# Allegro board com_v1_p3.brd (continued)
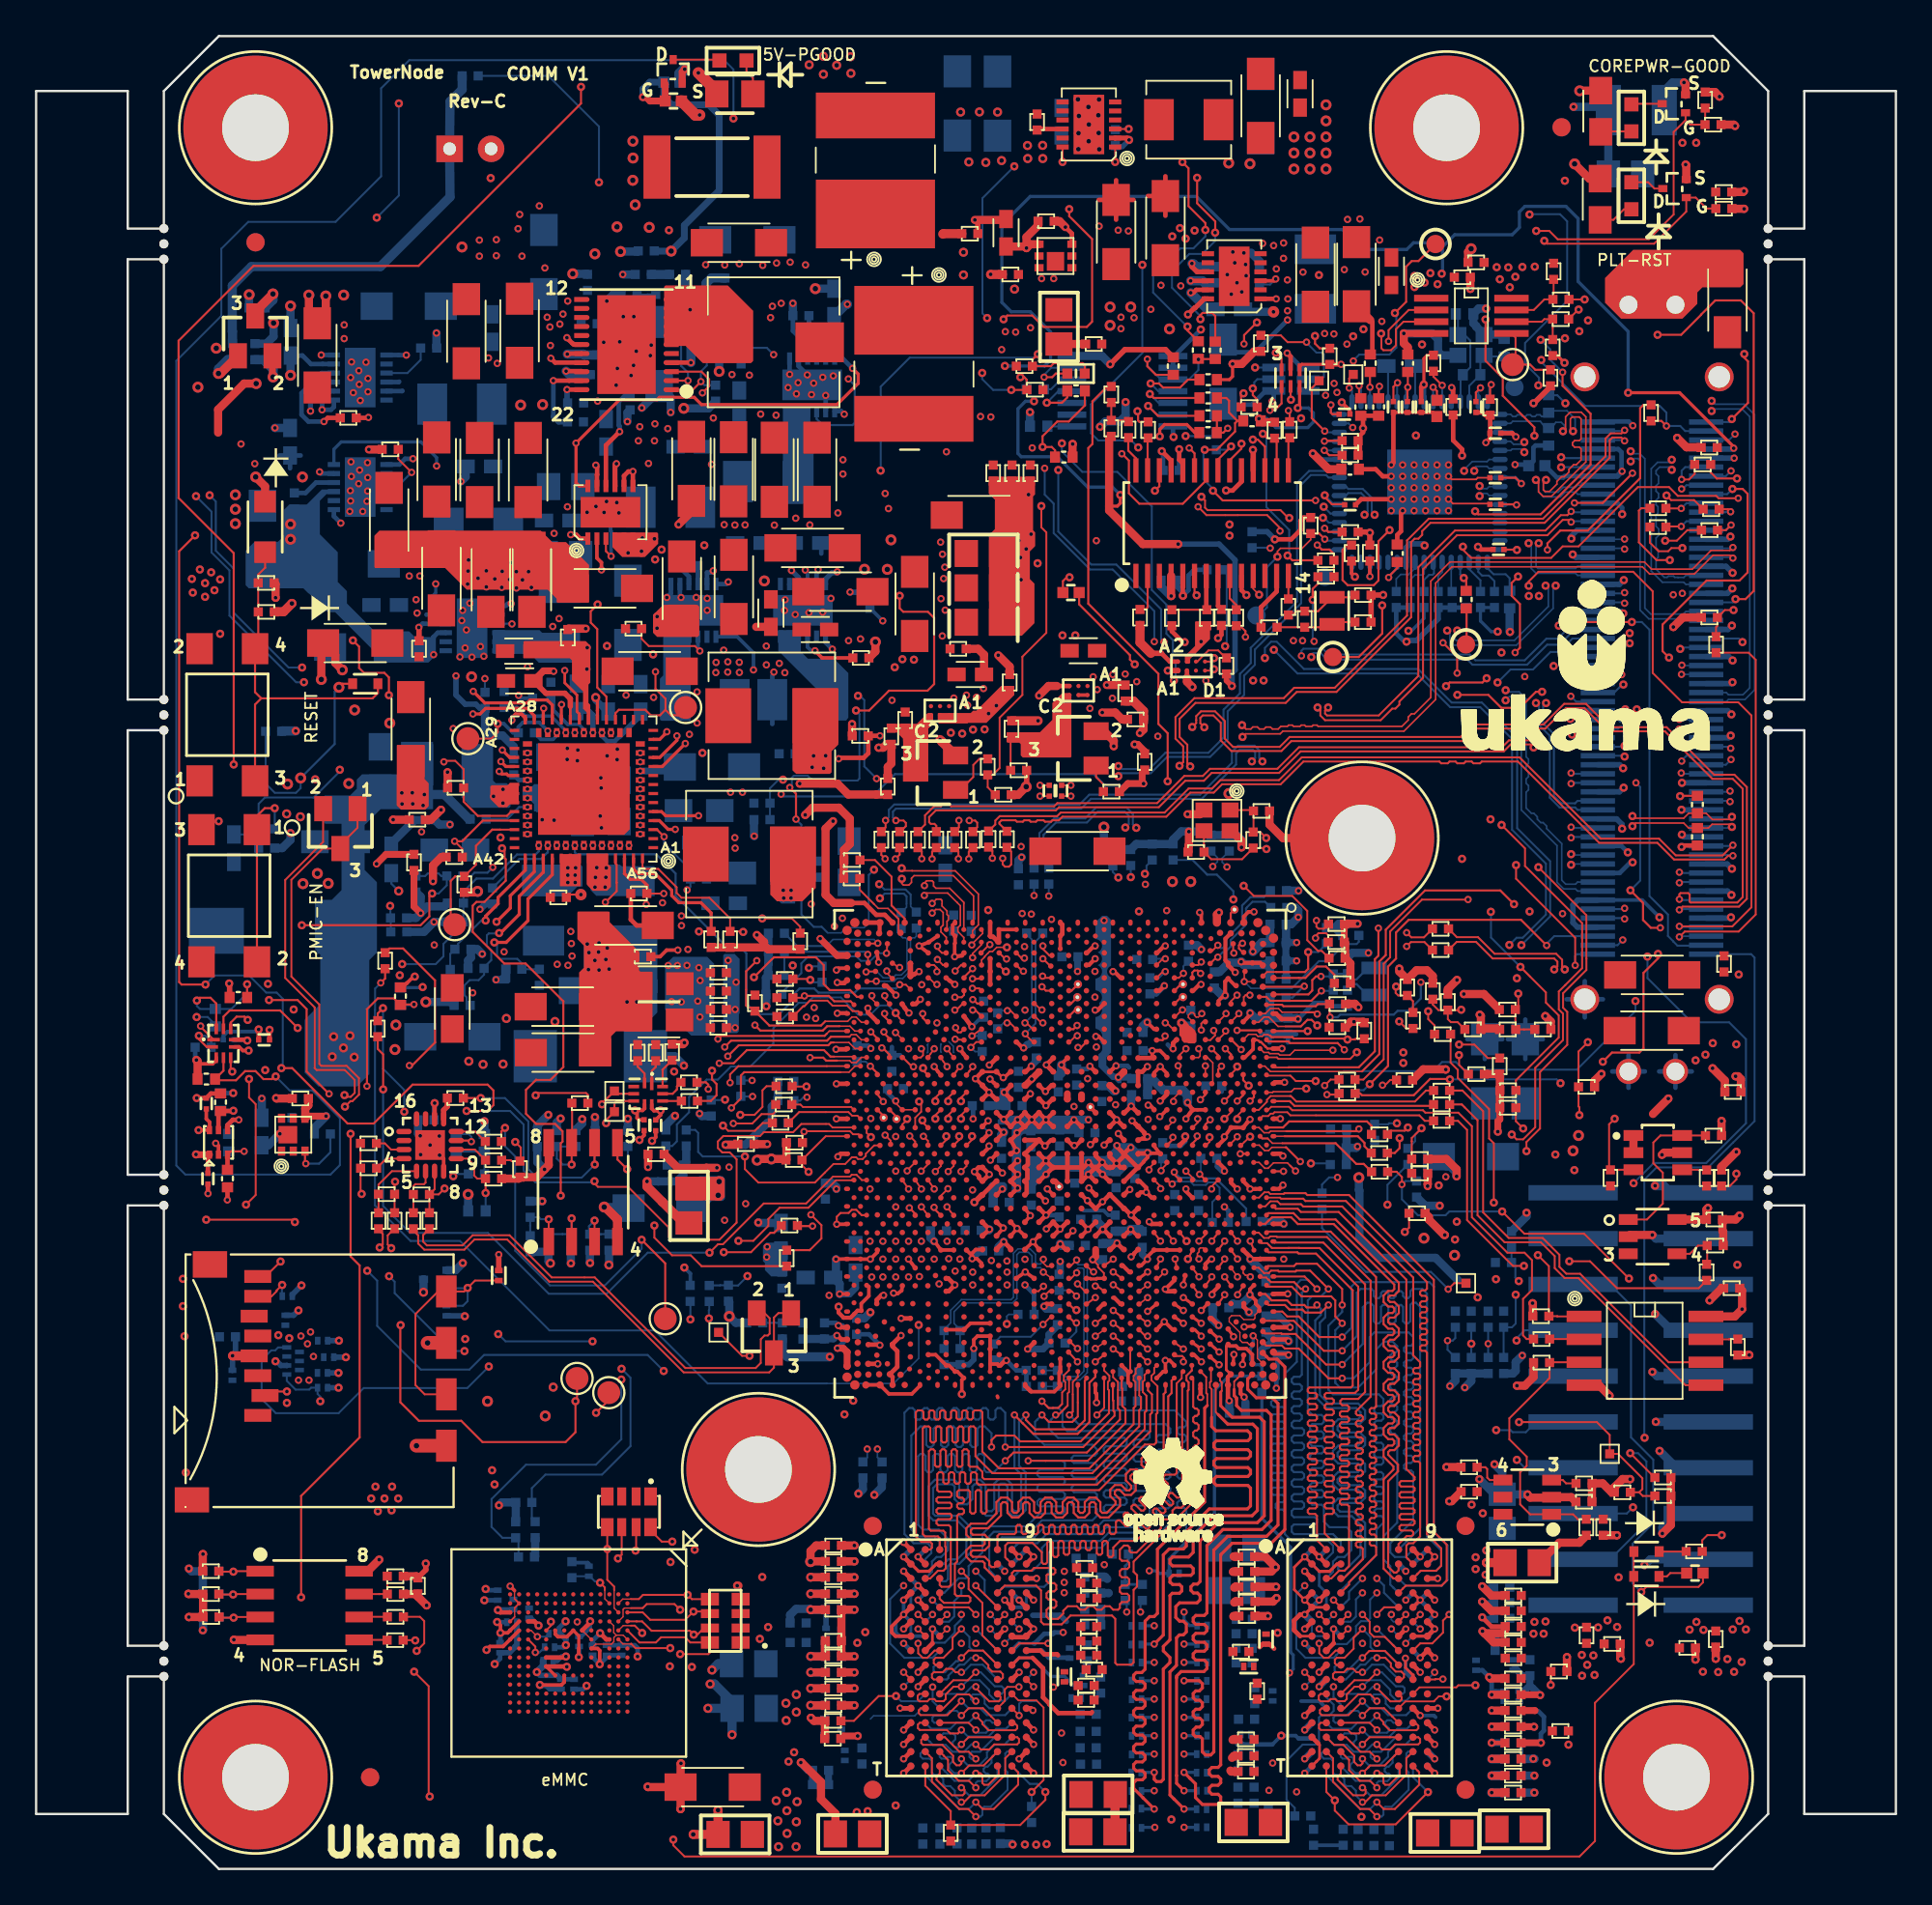
[diagram p0: board, top side]
## Routing (per net, layer and track width the routed paths; a pad name or vN(x,y) marks a point on that pad's centre or on a via; arc(x,y) is an arc through that point) (continued)
  TOP w0.279: v1(60.57,95.84) 60.46,95.95 U1D1.2
  TOP w0.305: R185.1 v2(25.64,34.05) ; v1(67.43,78.67) 67.44,78.65 U3A5.18 ; v1(74.65,70.62) 74.64,70.61 C3A25.2 73.98,69.12 C3A23.2 ; v2(52.02,91.41) 52.19,91.24 C2A12.2 ; v1(21.6,16.93) 21.6,16.58 21.16,16.14 C4662.2 ; 92.26,78.81 C1N8.2 ; U3C1.BB5 U3C1.BB7
  TOP w0.381: R3B13.1 72.49,52.36 R3B12.1 ; v1(83.01,7.88) 83,7.89 C222.2 ; U3C1.BJ51 U3C1.BJ49 44.73,28.86 v2(44.41,28.86) ; U3C1.BJ5 44.38,50.64 v2(43.45,51.57) ; U3C1.AC21 57.93,42.92 ; C167.2 83.32,9.66 v1(83.34,9.63) ; 57.15,42.97 U3C1.AD21 ; C211.2 83.05,8.78 83.06,8.77 ; v1(35.94,99.76) 35.8,99.62 Q138.S ; U3C1.AA38 58.72,33.94 v2(58.55,33.77) ; U2A1.4 v1(75.79,85.12)
  TOP w0.457: Q3B1.2 59.18,63.07 59.72,62.53 v2(59.72,62.24) ; C2B23.2 53.95,66.64 v2(53.32,67.28) ; R10805.1 85.9,18.47 85.51,18.08 84.4,18.08 C181.1 ; 56.56,65.57 56.11,65.57 v2(55.58,65.04) ; C2037.2 85.08,20.61 U253.2 83.96,20.58 82.79,20.58 82.65,20.73 v1(82.65,20.76) ; R1B2.2 19.17,78.68 v2(18.44,78.68) ; v1(94.22,39.75) 93.4,38.93 R11267.2 ; R2B19.2 44.76,55.91 R2B15.2 44.77,56.48 45.09,56.81 45.09,58.22 44.48,58.83 43.02,58.83 42.62,58.43 v2(42.62,58.43) ; R4A13.2 77.4,49.49 77.07,49.81 76.49,49.81 R3B11.2 75.54,49.75 v1(75.54,49.9) ; R3B13.1 72.54,51.33 R3B10.1 72.83,50.19 R3B14.2 ; v2(73.23,52.4) 72.52,52.4 R3B12.1 ; U16.2 88.32,35.14 v1(89.56,35.14) ; v5(16.97,66.47) 16.58,66.86 16.58,67.28 C3L21.2 15.81,67.85 v5(15.81,65.94) ; 66.36,17.32 66.37,17.32 C209.2 ; v1(91.31,99.03) 91.4,98.94 Q137.S ; C168.2 v4(42.92,16.17) ; C212.2 66.34,16.48 66.32,16.47 ; v1(80,47.35) 80.06,47.29 C4A11.2 80.11,46.59 81.05,46.59 R4A12.2 ; C2038.2 78.44,20.38 v1(78.31,20.38) ; v1(62.9,70.56) 62.89,70.57 U3A5.4 ; v2(77.11,37.85) 77.11,37.96 77.12,37.97 R3C17.2 ; v1(90.73,68.84) 91.26,69.37 R11263.2 ; 63.77,66.03 63.77,65.82 v1(64.07,65.52) ; v1(94.15,96.62) 94.08,96.69 C2036.2 ; v5(15.12,87.24) 15.12,86.14 C1A3.2 16.05,86.15 v5(16.05,87.19) ; v1(94.4,36.22) 94.18,36 C2158.2 93.45,35.36 93.49,35.32 R11266.2 ; C236.2 v4(42.92,15.25) ; v1(87.19,26.23) 86.6,26.82 U4C1.4 ; 92.26,78.81 91.46,78.81 v1(90.94,79.33) ; C1L11.2 83.94,46.97 v1(83.63,47.28) ; C180.2 v4(42.92,14.37) ; C234.2 66.37,6.26 66.27,6.16 ; R2B1.2 46.51,67.49 v5(46.51,68.02) ; v1(35.74,5.85) 35.71,5.83 C324.1 ; 66.18,5.45 66.24,5.4 C231.2 ; C2C12.2 38.86,40.14 v2(38.21,40.14) ; U9003.4 10.97,12.7 v1(10.96,12.71) ; C169.2 v4(42.92,11.78) ; C213.2 66.44,15.64 66.39,15.59 ; C4662.2 21.07,16.23 R1359.2 ; U9002.2 U9002.1 ; Y3B2.4 66.24,57.55 66.8,56.99 v1(66.8,56.63) ; C268.2 43.71,7.23 R562.2 43.1,8.21 v1(42.93,8.38) ; v1(93.29,98.24) 93.03,98.5 R10788.1 ; C3B32.2 63.86,56.4 63.86,56.72 63.88,56.75 v2(63.88,57.5) ; Q135.S 91.44,94.44 v1(91.41,94.48) ; C228.2 66.45,14.82 66.39,14.77 ; Y3B2.2 64.48,58.47 v2(63.81,58.47) ; v1(42.38,5.9) 42.41,5.9 43.49,4.82 43.49,3.87 44.29,3.07 C164.1 ; R3C5.2 73.54,46.96 v2(73.03,46.96) 72.85,46.96 C3C1.2 ; C172.2 43.23,17.93 42.92,17.62 v5(42.92,17.03) 42.93,17.05 C171.2 ; v1(33.89,4.56) 33.91,4.54 C324.1 ; 66.34,13.99 66.36,14.02 C235.2 ; v1(90.12,18.59) 90.59,19.06 90.59,20.67 R11024.2 90.59,20.68 90.59,21.69 R3B15.2 ; v1(94.64,93) 94.59,92.96 R10782.1 ; v1(94.17,43.94) 94.31,43.94 94.47,43.78 C2159.2 ; C2A10.2 53.7,91.41 v2(52.02,91.41) ; C177.2 v4(42.92,10.01) ; C324.1 35.71,3.32 v1(35.71,3.32) ; C3B22.2 68.35,57.89 69.1,57.14 MH6.1 ; C1N9.2 87.78,11.69 v1(87.82,11.65) ; v1(8.88,44.84) 8.95,44.77 R11506.1 ; v1(94.65,92.03) 94.17,92.03 94.16,92.04 C2034.2 ; C2039.2 78.95,22.28 v1(78.15,22.28) ; C1N3.2 93.41,32.19 v1(92.74,31.51) ; C3A12.2 C4749.2 ; v2(61.17,62.96) 61.37,63.16 C3B17.2 ; v1(84.83,11.74) 84.83,10.95 R375.2 ; C189.2 v4(42.92,9.07) ; C1D2.2 13.32,42.71 v2(13.3,42.74) ; C2A1.2 79.35,89.64 79.52,89.81 v5(79.52,89.81) ; C233.2 66.33,7.18 66.3,7.15 ; C2C7.2 v2(33.91,38.91) ; C1B7.2 v1(19.78,58.16) ; C3B16.2 76.01,84.35 75.79,84.57 v1(75.79,85.12) ; 89.6,41.85 v1(90.45,42.7) ; C2A3.1 v1(79.48,87.59) ; C170.2 v4(42.92,10.9)
  TOP w0.508: U304.4 32.22,36.01 31.53,36.69 v5(31.48,36.69) ; C169.2 43.73,11.78 C269.2 ; v2(50.09,62.6) 50.19,62.5 50.19,62.48 Q2B1.2 ; C3B15.2 60.81,64.74 61.37,64.18 C3B17.2 ; v4(14.18,70.15) 13.72,69.69 13.21,69.69 C1918.2 ; v1(33.86,38.11) 33.86,37.82 34.7,36.98 35.87,35.81 C3M179.2 ; C203.1 59.79,4.11 C165.1 ; v4(36.41,1.91) C325.1 v4(37.79,3.26) ; v2(55.53,63.65) C2B25.2 ; C2A11.2 52.9,88.39 v2(52.89,88.39)
  TOP w0.635: v1(36.77,97.22) 36.54,97.22 R11382.1
  TOP w0.762: CN1.12 v5(21.08,23.46) ; CN1.11 v5(21.69,29.16)
  L2_GND1 w0.508: 25.21,94.41 C4752.2 ; C4752.2 25.21,96.29 ; C4752.2 26.15,95.35 ; C4752.2 24.27,95.35 ; 87.34,86.71 J20.G4 ; J20.G4 88.24,87.61 ; J20.G4 88.24,85.8 ; J20.G4 89.15,86.71 ; 90.84,43.3 J20.G1 ; J20.G1 90.84,45.11 ; J20.G1 89.94,44.21 ; J20.G1 91.75,44.21 ; J20.G2 90.84,87.61 ; J20.G2 90.84,85.8 ; J20.G2 89.94,86.71 ; J20.G2 91.75,86.71 ; 88.24,43.3 J20.G3 ; J20.G3 87.34,44.21 ; J20.G3 89.15,44.21 ; J20.G3 88.24,45.11
  L6_SIG3 w0.254: J20.G1 91.75,44.21 ; J20.G1 90.84,45.11 ; J20.G1 90.84,43.3 ; J20.G1 89.94,44.21 ; J20.G3 88.24,45.11 ; J20.G3 89.15,44.21 ; J20.G3 87.34,44.21 ; J20.G3 88.24,43.3
  L6_SIG3 w0.635: 81.84,47.01 81.78,46.95
  L9_GND2 w0.508: 90.84,85.8 J20.G2 ; J20.G2 90.84,87.61 ; J20.G2 89.94,86.71 ; J20.G2 91.75,86.71 ; C4752.2 25.21,96.29 ; C4752.2 25.21,94.41 ; C4752.2 26.15,95.35 ; C4752.2 24.27,95.35 ; J20.G4 89.15,86.71 ; J20.G4 88.24,87.61 ; J20.G4 88.24,85.8 ; J20.G4 87.34,86.71 ; J20.G1 91.75,44.21 ; J20.G1 89.94,44.21 ; J20.G1 90.84,43.3 ; J20.G1 90.84,45.11 ; 88.24,43.3 J20.G3 ; J20.G3 89.15,44.21 ; J20.G3 87.34,44.21 ; J20.G3 88.24,45.11 ; 26.62,36.67 26.62,33.37
  BOTTOM w0.086: 67.01,25.85 66.94,25.93 v2(66.94,26.16)
  BOTTOM w0.102: U24.G8 U27.G1 U24.F9
  BOTTOM w0.109: v1(8.9,47.22) 9.51,47.22 9.93,46.8 R11500.1 ; 75.9,16.5 v2(75.9,16.5)
  BOTTOM w0.152: v2(70.3,17.3) 70.7,16.9 U27.B1 71.11,16.5 71.11,15.7 U24.D8 U27.E2 ; U30.E1 U30.D1 ; U37.G1 U30.F9
  BOTTOM w0.178: R2M58.2 76.91,69.33 76.22,68.63 v1(76.05,68.63) ; U37.J8 54.47,11.7 55.2,11.7 56.23,10.67 56.99,10.67 57.49,10.17 58.04,10.17 R476.2 ; v1(80.99,68.59) 80.63,68.59 80.04,69.18 R2M30.2 R2M24.2
  BOTTOM w0.203: U30.E1 U37.E8 v2(53.67,14.9) ; v2(48.07,14.1) 47.64,13.67 47.64,13.11 47.84,12.9 U37.G1 U30.G8 ; v2(48.07,14.1) v2(48.07,14.9) ; v2(48.07,14.1) U30.F9 ; U30.D8 v2(48.87,14.9) U37.E2 ; 58.04,36.49 59.16,36.49 59.41,36.24 C2N43.2 ; C129.2 29.74,16.98 30.57,16.98 30.63,16.92 C37.2 ; C3N2.1 52.38,47.21 v2(51.85,46.69) ; v1(89.96,52.75) 89,53.71 J20.7 ; 68.51,6.9 v1(69,7.39) 69.8,7.39 69.95,7.23 ; C315.2 C309.2 ; v1(12.33,46.54) 12.21,46.42 10.62,46.42 10.37,46.17 C139.1 ; U27.B9 v2(77.5,17.3)
  BOTTOM w0.254: v1(87.89,75.1) 87.89,75.45 87.64,75.71 J20.51 ; R2B44.2 65.44,39.38 65.44,38.94 65.69,38.68 v2(65.85,38.68) ; C2N1.1 71.86,47.82 71.68,48 70.82,48 v2(69.93,47.11) ; R211.2 8.81,44.87 8.84,44.84 v1(8.88,44.84) ; 90.84,43.3 J20.G1 ; J20.G1 89.94,44.21 ; J20.G1 90.84,45.11 ; J20.G1 91.75,44.21 ; C176.2 82.29,6.1 C295.2 ; v2(16.89,74.6) 16.5,74.99 U4M1.7 ; U4M3.13 24.91,69.53 25.62,69.53 U4M3.2 ; R2N15.2 54.87,27.63 R2N16.2 54.32,27.63 v2(53.77,28.19) ; C3A27.2 65.83,81.17 67.38,81.17 68.14,81.93 Q2N1.1 68.58,81.44 v2(68.49,81.35) ; 88.24,43.3 J20.G3 ; J20.G3 87.34,44.21 ; J20.G3 89.15,44.21 ; J20.G3 88.24,45.11 ; U3M2.8 35.68,70.54 v2(35.74,70.48) ; v1(63.03,79.38) 63,79.41 U87.7 ; v2(47.63,42.57) 47.18,43.03 C3N13.2 ; U27.P1 70.63,7.23 69.95,7.23 ; v2(51.92,41.58) 51.92,42.26 C3N11.2 ; v1(88.47,55.8) 88.35,55.8 87.75,55.21 J20.10 ; U30.B3 v2(53.67,16.5) ; v1(30.5,10.15) 30.31,9.96 C91.2 ; v2(76.7,14.9) 76.3,14.5 U27.E8 ; v2(76.7,14.9) 76.7,14.9 U24.D1 ; v2(76.7,14.9) U24.E1 ; U27.P9 v2(77.5,6.9) ; C6.2 25.71,11.65 v1(25.41,11.36) ; v2(55.24,8.79) 55.12,8.9 U37.M9 ; U37.B9 v2(55.27,17.3) ; 66.88,6.9 66.71,7.07 ; 66.88,6.9 66.58,6.9 66.57,6.9 ; 66.88,6.9 66.72,6.75 ; 66.88,6.9 68.51,6.9 ; C3A26.2 62.45,78.52 v1(62.38,78.59) ; C27.2 24.98,15.45 v1(24.91,15.52) ; v2(44.41,28.86) 44.93,29.39 44.93,29.87 44.68,30.12 v2(44.46,30.12) 44.31,30.27 C3N31.2 ; U3M2.7 35.18,70.7 v2(34.95,70.48) ; U37.J2 v2(48.87,10.9) ; 47.42,45.56 C3N7.2 47.88,45.1 ; U27.G9 v2(77.5,13.3) ; U37.T1 v2(48.07,5.3) ; v1(27.92,10.2) 27.97,10.15 28.26,10.15 28.45,9.96 C151.2 ; U3L1.2 v2(43.75,81.68) ; v2(47.88,8.91) 47.88,8.9 U37.M1 ; v2(69.33,84.03) 70.13,83.23 Q2N1.4 ; U27.M9 77.67,8.9 v2(77.67,8.91) ; R3N6.1 46.1,45.64 v2(46.26,45.49) ; v1(29.36,11.78) 29.12,11.78 28.89,11.54 C5.2 ; R2B43.2 66.07,36.48 v2(65.85,36.7) ; U37.P9 v2(55.27,6.9) ; 69.35,28.49 69.4,28.49 v2(69.4,28.49) ; v2(54.8,32.37) 55.3,31.87 R3N30.2 ; U27.T9 v2(77.5,5.3) ; R2N5.2 62.55,40.14 62.78,40.14 62.84,40.08 63.43,40.08 63.68,40.33 v1(63.68,40.6) ; v2(61.85,45.36) C2N6.2 ; C39.2 30.08,11.75 v1(30.07,11.74) ; v2(88.48,80) 88.25,80.24 86.57,80.24 J20.60 ; U27.T1 v2(70.3,5.3) ; U3L1.8 42.25,83.3 v2(42.74,82.82) ; U37.T9 v2(55.27,5.3) ; U27.J8 v2(76.7,10.9) ; U3L1.7 41.75,82.85 v2(41.76,82.85) ; U37.B1 v2(48.07,17.3) ; C34.2 C42.2 31.61,11.72 v1(31.23,11.34) 30.84,11.74 C134.2 ; C2131.2 84.27,77.13 84.63,77.13 84.7,77.21 J20.54 ; C3N30.2 46.16,29.64 v2(46.76,29.03) ; J20.57 87.68,78.71 87.86,78.53 87.86,77.57 87.88,77.55 87.88,77.48 v2(87.88,77.47) ; v1(64.54,85.33) 63.07,83.86 U87.1 U87.2 ; U37.P1 v2(48.07,6.9) ; v2(68.73,26.65) 68.73,27.13 68.79,27.19 C2N37.2 ; J20.13 87.85,56.71 v1(88.2,56.35) ; U27.M1 v2(70.3,8.5) ; 22.7,67.53 U4M3.7 ; U37.G9 v2(55.27,13.3) ; U24.A9 v2(70.3,17.3) ; U4L1.7 16.5,81.04 16.34,80.89 v2(15.85,80.89) 15.85,80.89 15.85,81.67 16.11,81.92 U4L1.8 ; U27.J2 v2(71.1,10.9)
  BOTTOM w0.279: R4P6.2 59.86,95.47 60.2,95.47 v1(60.57,95.84)
  BOTTOM w0.305: J20.28 85.48,64.21 v1(85.02,63.75) ; v2(48.07,17.3) U30.A9 ; v2(87.88,77.47) 87.62,77.21 J20.54 ; J20.42 87.75,71.21 v1(87.98,71.44) ; v1(85.15,72.86) 85.15,72.88 85.32,72.71 J20.45 ; J20.94 93.79,67.21 v1(94.01,66.99) ; v2(23.27,66.14) 23.27,65.08 23.78,64.56 24.37,64.56 24.6,64.33 R4M6.2 ; v1(93.97,68.92) 93.76,68.71 J20.97 ; J20.68 93.73,54.21 v1(93.94,53.99) ; v1(85.08,73.74) 85.08,73.89 85.39,74.21 J20.48 ; C6.2 26.23,11.99 26.53,12.29 26.53,12.33 26.64,12.43 C31.2 ; v1(93.91,62.83) 93.79,62.71 J20.85 ; v2(51.96,28.85) 51.96,28.23 51.69,27.95 R3N29.2 R3N28.2 ; J20.77 91.18,58.71 v1(91.18,58.71) ; v1(87.89,57.66) 87.89,57.9 87.58,58.21 J20.16 ; v1(87.95,69.59) 87.84,69.71 J20.39 ; J20.107 93.74,73.71 v1(93.89,73.86) ; U24.B3 75.9,16.5 ; v1(91.2,60.21) 91.21,60.21 J20.80 ; J20.25 85.29,62.71 v1(85.11,62.88) ; R2N14.2 53.74,28.21 v2(53.77,28.19) ; v1(94,65.78) 93.93,65.71 J20.91 ; J20.7 85.43,53.71 85.16,53.44 85.16,52.45 85.41,52.21 J20.4 ; R2M41.2 62.07,48.51 v2(62.52,48.96) ; C180.2 43.77,14.33 R614.2 ; v1(93.97,55.44) 93.71,55.71 J20.71 ; v1(91.2,57.33) 91.33,57.21 J20.74 ; J20.88 93.74,64.21 v1(93.94,64) ; v1(13.27,28.14) 13.33,28.14 13.57,27.91 U11.2 ; J20.104 93.65,72.21 v1(94.01,71.84) ; v1(87.94,61.01) 87.75,61.21 J20.22 ; J20.101 93.72,70.71 v1(94,70.98) ; J20.65 93.88,52.71 v1(93.92,52.75) ; v1(87.97,59.94) 87.74,59.71 J20.19
  BOTTOM w0.381: 82.78,10.18 82.92,10.04 82.94,10.04 v1(83.34,9.63) ; 82.78,10.18 R268.1 82.37,10.71 82.05,11.04 R267.2 ; 82.78,10.18 82.45,9.85 R421.2 ; v2(54.95,28.82) 55.8,28.82 R2N12.2 56.12,29.16 56.12,29.63 56.59,30.1 C2N34.2 ; C2N25.2 61.29,34.08 v2(61.58,33.79) ; C2M17.2 v2(69.85,50.34) ; C2M17.2 69.27,50.59 69.26,50.61 69.26,51.06 69.27,51.07 69.27,51.29 ; C2M17.2 C2M19.2 ; v2(24.6,53.2) 24.6,53.2 24.89,53.49 R3M11.2 ; R2B45.2 69.01,35.89 69.06,35.84 ; v2(69.85,51.35) C2M14.2 ; v2(69.49,30.02) 68.86,30.65 C2N36.2 ; v2(51.87,33.83) 52.3,34.26 C3N27.2 ; C271.2 43.02,5.46 C265.2 42.76,5.47 42.38,5.85 v1(42.38,5.9) ; v2(44.53,31.87) 45.07,31.87 45.41,32.21 C3N29.2 ; C2N7.2 55.14,45.84 55,45.7 54.91,45.7 v2(54.72,45.51) ; v2(70.3,14.1) 70.7,13.7 U24.F9 ; v2(57.71,49.75) 57.71,50.54 C2N2.2 ; C2N28.2 v2(58.55,33.77)
  BOTTOM w0.406: v2(56.75,33.67) 56.75,33.67 56.75,33.01 C2N31.2
  BOTTOM w0.457: R11504.2 23.94,37.39 v5(23.94,37.39) ; R3L15.2 37.26,80.97 v5(35.89,80.97) ; R4M6.2 24.88,63.05 25.1,62.83 25.85,62.83 26.47,62.21 C4M9.2 ; C3N24.2 52.78,35.4 v2(52.83,35.45) ; v1(90.12,18.59) 90.12,18.94 90.87,19.7 J3321.6 ; C4745.2 21.16,40.77 v1(21.29,40.64) ; v2(78.35,26.76) 78.65,27.06 R1A15.2 R1A8.2 ; v2(65.89,48.42) 65.71,48.42 C2M18.2 ; R1A9.2 R1A8.2 ; R1A8.2 79.53,27.04 v2(79.17,26.69) ; v1(91.31,99.03) 90.68,99.03 90.22,98.57 C2130.2 ; v2(73.23,52.4) 72.19,52.4 71.97,52.18 ; v1(45.57,20.8) 45.81,21.05 45.81,21.67 R2C25.2 ; C3N23.2 49.56,35 v2(49.76,34.79) ; 22.97,48.06 22.95,48.08 R4M20.2 ; 22.97,48.06 R4M21.2 ; 22.97,48.06 v5(21.6,48.06) ; R3N16.2 36.9,41.74 v2(36.76,41.87) ; v2(13.24,79.88) 13.24,79.88 C4L6.1 ; U4M1.13 17.96,76.7 ; U4M1.13 18.15,76.6 ; U4M1.13 17.96,75.39 ; U4M1.13 17.62,76.6 ; C2M14.2 C2M13.2 69.56,52.37 v2(69.94,52.76) 69.94,53.13 69.78,53.29 69.31,53.29 R2M38.2 ; v5(14.1,86.64) 14.1,86.64 C4L4.1 ; C3B33.2 71.97,52.18 ; 71.97,52.18 R3B8.1 ; v1(82.65,20.76) 81.26,20.76 C301.1 ; v1(46.45,20.73) 46.87,21.15 46.87,21.66 R2C26.2 ; C169.2 v4(42.92,11.78) ; v2(44.33,33.8) 44.33,32.94 C3N28.2 44.53,32.43 v2(44.53,31.87) ; C4P24.2 12.51,41.65 v2(12.51,42.71) ; v1(33.86,38.11) 34.47,38.11 35.52,38.11 35.86,38.46 R1A12.2 36.03,39.18 R3N20.1 ; v2(82.35,28.46) 81.99,28.1 81.99,27.61 81.84,27.46 R1A7.2 ; v4(31.74,33.48) 31.75,33.49 R11163.2 ; C2N38.2 C2N40.2 ; v2(73.83,50.78) 72.94,50.78 C2M16.1 ; J3321.12 89.82,27.32 89.59,27.55 v1(89.57,27.55) ; R2L12.2 67.79,89.12 67.34,89.58 v2(66.93,89.58) ; v1(82.97,6.1) 83.02,6.1 83.02,6.1 C176.2 ; C301.1 80.82,20.77 v1(79.98,21.61) ; C301.1 81.25,22 v1(80.81,22.43) ; C252.2 59.25,16.18 59.35,16.08 ; C185.2 v1(83.02,5.17) ; C170.2 v4(42.92,10.9) ; v1(82.59,36.37) 82.59,36.18 R10557.2 ; 59.67,56.49 59.17,56.99 v5(59.17,57.75) ; 59.67,56.49 R2M34.2 ; 59.67,56.49 59.68,56.51 R2M33.2 60.96,56.81 R2M32.2 63,56.81 R2M31.2 63.01,57.06 63.46,57.52 63.87,57.52 v2(63.88,57.5) 64.91,57.5 R2N18.2 R2N19.2 66.54,57.31 66.8,57.05 v1(66.8,56.63) ; v1(28.38,41.8) 27.77,41.19 C2152.2 ; v2(67.27,47.45) 67.56,47.16 C2N4.2 ; v1(89.96,23.17) 90.9,22.24 J3321.8 ; v6(68.57,86.31) 67.02,86.31 C2L16.1 ; v5(31.48,36.69) 32.77,36.69 C3M180.2 ; C2M11.1 81.11,85.05 Y2M3.4 79.81,85.49 79.81,85.52 79.64,85.69 C2M23.1 79.94,86.5 79.95,86.5 v1(80.35,86.5) ; v5(11.81,87.27) 11.8,87.26 C4A10.2 ; C2M20.2 68.38,47.19 C2N4.2 ; v1(89.76,24.79) 89.76,24.78 J3321.10 ; v4(28.5,33.57) 28.4,33.68 R11162.2 28.31,34.21 R11224.2 ; C249.2 C259.2 ; C3L5.1 v5(43.18,87.6) ; R616.1 41.78,14.08 42.11,14.41 42.88,14.41 v4(42.92,14.37) C180.2 ; v1(30.26,41.56) 30.26,41.33 29.91,40.98 R11221.2 ; v5(29.74,88.42) 29.98,88.42 29.99,88.42 30.53,88.42 C4L5.1 ; C189.2 v4(42.92,9.07) ; C2N16.1 73.15,39.97 v2(73.22,40.04) ; C2N16.1 72.62,40 C2N13.2 ; C2N16.1 72.6,39.05 R2N7.1 ; C2N47.2 23.8,77.17 v2(23.54,76.91) ; R1356.2 9.25,13.24 v1(9.24,13.23) ; C3M28.2 54.43,55.9 v2(54.61,56.08) ; v1(62.9,70.56) 62.87,70.56 62.34,71.09 C3A24.2 ; C3L10.2 31.98,87.27 v2(31.63,86.91) ; v1(75.79,85.12) 77.36,85.12 77.69,84.79 77.69,84.11 77.89,83.9 Y2M3.2 ; R1357.2 9.24,16.5 R1355.2 8.61,16.5 v1(8.47,16.65) ; v2(67.27,33.8) 68.15,32.93 C2N32.2 ; v2(64.57,50.97) 64.34,51.21 R2M40.2 ; v2(44.35,37.69) 44.35,37.79 44.12,38.02 C3N20.2 ; C177.2 v4(42.92,10.01) ; D1.3 v4(21.47,31.97) ; v2(22.19,85.14) 22.19,84.32 R4L2.2 ; R10552.2 38.41,31.42 v5(38.41,30.63) 38.77,30.27 R3N25.2 ; C2N4.2 C2N5.2 69.88,47.16 v2(69.93,47.11) ; v2(32.51,88.39) C3L7.2 ; 67.01,25.85 C2N39.2 ; v1(89.13,16.84) 89.45,17.16 J3321.4 ; C208.2 v1(83.02,4.23) ; C236.2 v4(42.92,15.25) ; v1(89.72,30.76) 90.61,29.86 J3321.14 ; R1A10.2 27.66,17.33 R1A11.2 ; C3N8.2 41.1,43.66 R3N15.2 40.77,42.26 C3N12.2 40.52,41.35 39.31,40.14 v2(38.21,40.14) ; v1(89.6,32.75) 89.95,32.4 J3321.16 ; J3321.18 89.76,34.94 v1(89.56,35.14) ; C168.2 v4(42.92,16.17) ; R4M24.2 21.5,51.95 v2(22.05,52.5) 22.79,52.5 R4M17.2 ; 59.43,15.29 C250.2 ; C2N33.2 66.32,31.34 66.36,31.3 66.8,31.3 66.92,31.41 66.93,31.41 67.26,31.75 v2(67.26,31.83) ; 69.06,35.84 v2(69.14,35.76)
  BOTTOM w0.508: v4(37.35,10.25) 37.59,10.25 38.56,9.28 C243.1 ; J3321.20 90.58,37.48 90.19,37.87 v1(89.72,37.87) ; C243.1 v4(38.56,7.44) ; C243.1 v4(37.23,8.9) ; 69.35,28.49 C2N37.2 ; C2N3.2 61.34,46.7 v2(61.57,46.93) ; C3N16.1 53.49,40.67 v2(53.62,40.84) ; v4(37.45,11.03) 37.8,11.37 C244.1 ; R2M45.2 63.97,46.7 63.68,46.7 v2(63.48,46.91) ; C2N12.2 C2N9.1 61.83,43.81 62.47,43.17 63.53,43.17 63.81,42.89 v2(63.81,42.49) ; C2M14.2 69.27,51.29
  BOTTOM w0.635: v1(35.94,99.76) 35.68,99.51 C4747.2
  vias: v1(8.13,32.71) v1(8.13,31.2) v1(8.22,29.53) v1(8.3,21.97) v1(10.12,58.08) v1(10.2,68.47) v1(20.15,49.54) v1(21.31,39.6) v1(22.35,40.63) v1(22.36,39.56) v1(25.19,93.73) v1(31.64,67.79) v1(41.7,5.95) v1(42,6.47) v1(52.76,53.15) v1(56.88,68.38) v1(57.59,68.38) v1(62.91,2.74) v1(73.44,2.89) v1(78.63,34.89) v1(83.03,13.69) v1(82.98,13.04) v1(83.54,13.04) v1(83.64,13.72) v1(83.7,5.89) v1(84.92,6.89) v1(87.69,16.16) v1(91.23,95.68) v1(91.99,95.68) v1(91.96,44.82) v1(92.51,45.14) v1(92.91,45.78) v1(94.22,45.71) v2(11.36,78.99) v2(12.12,77.9) v2(17.41,76.4) v2(17.43,75.83) v2(17.38,75.25) v2(17.48,83.54) v2(17.43,82.67) v2(17.45,78) v2(17.47,77.19) v2(17.58,81.83) v2(17.88,83.05) v2(17.91,82.29) v2(17.93,77.54) v2(17.88,76.79) v2(17.97,81.4) v2(18.1,75.25) v2(18.28,83.52) v2(18.39,82.62) v2(18.39,81.88) v2(18.37,77.95) v2(18.38,77.13) v2(18.37,76.38) v2(18.33,75.81) v2(20.68,71.67) v2(21.26,71.67) v2(21.36,57.49) v2(23.12,63.21) v2(23.49,67.19) v2(23.59,69.2) v2(23.64,69.77) v2(23.77,67.68) v2(23.85,68.68) v2(24.03,70.16) v2(24.15,67.18) v2(24.2,48.57) v2(24.56,90.29) v2(24.56,89.4) v2(24.62,67.76) v2(24.81,67.22) v2(25.5,90.32) v2(25.5,89.43) v2(25.93,50.84) v2(26.71,90.92) v2(26.8,91.71) v2(26.93,89.4) v2(27.23,66.64) v2(27.89,92.19) v2(28.04,58.16) v2(28.19,88.75) v2(28.63,68.87) v2(28.7,58.13) v2(28.98,69.31) v2(29.43,61.5) v2(29.44,75.51) v2(29.44,62.12) v2(30.02,62.02) v2(30,61.43) v2(30.53,75.2) v2(31.02,75.53) v2(31.12,81.36) v2(31.29,60.48) v2(31.31,59.92) v2(31.26,58.37) v2(31.33,57.71) v2(31.45,84.63) v2(31.47,75.2) v2(31.61,75.8) v2(31.64,61.7) v2(32.21,83.18) v2(32.15,82.25) v2(32.18,75.74) v2(32.21,62.07) v2(32.2,61.49) v2(32.3,75.17) v2(32.34,84.65) v2(32.54,86.05) v2(32.97,82.79) v2(33.12,86.05) v2(33.11,83.35) v2(33.26,84.13) v2(33.38,79.17) v2(33.45,79.95) v2(33.94,77.91) v2(34.09,84.47) v2(34.04,83.89) v2(34.29,80.11) v2(34.27,79.17) v2(34.71,53.56) v2(35,79.84) v2(35.03,50.08) v2(35.21,48.08) v2(35.54,50.08) v2(35.76,52.83) v2(35.77,52.29) v2(35.75,48.06) v2(36.07,50.09) v2(36.58,70.48) v2(36.73,49.96) v2(36.67,48.11) v2(36.8,49.25) v2(36.79,47.22) v2(37.1,88.93) v2(37.19,70.43) v2(37.19,69.77) v2(37.53,80.43) v2(38.16,88.91) v2(38.48,59.68) v2(38.56,82.84) v2(38.72,57.16) v2(38.74,56.59) v2(38.97,88.98) v2(39.14,59.68) v2(39.53,82.81) v2(40.15,80.64) v2(40.46,67.79) v2(40.51,34.49) v2(40.49,33.92) v2(41.01,80.58) v2(41.5,70.35) v2(41.48,69.76) v2(41.68,82.12) v2(42.07,69.54) v2(42.22,82.39) v2(42.13,81.77) v2(42.83,69.64) v2(42.97,81.73) v2(42.95,53.49) v2(43.09,82.36) v2(43.59,82.69) v2(43.59,69.67) v2(43.94,31.8) v2(44.05,70.43) v2(44.17,82.77) v2(44.24,52.25) v2(44.71,78.11) v2(44.71,77.32) v2(44.68,52.7) v2(45.02,68.09) v2(45.68,68.18) v2(46.21,37.69) v2(46.26,41.6) v2(47.05,76.24) v2(47.23,75.41) v2(47.43,64.78) v2(47.63,40.6) v2(47.63,38.68) v2(47.63,36.7) v2(48.35,45.47) v2(49.07,49.02) v2(49.92,46.9) v2(50.12,73.55) v2(50.04,32.43) v2(50.23,72.88) v2(50.15,70.41) v2(50.22,68.35) v2(50.29,71.53) v2(50.35,72.16) v2(50.37,69.78) v2(50.45,78.56) v2(51.89,37.64) v2(51.9,33.08) v2(51.9,32.37) v2(52.33,80.51) v2(52.91,80.49) v2(52.94,33.73) v2(53.51,84.22) v2(53.71,85.22) v2(53.8,33.7) v2(53.81,33.08) v2(53.81,32.37) v2(54.28,85.19) v2(54.58,56.67) v2(54.64,52.96) v2(54.77,51.13) v2(54.8,47.61) v2(54.8,33.8) v2(55.1,85.43) v2(55.2,78.77) v2(55.15,52.93) v2(56.27,52.64) v2(58.27,43.81) v2(58.68,49.75) v2(58.68,48.33) v2(58.75,73.63) v2(58.75,45.56) v2(58.91,91.07) v2(59.19,16.87) v2(59.82,42.36) v2(59.96,90.84) v2(60.53,90.8) v2(61.62,41.55) v2(61.77,86.46) v2(62.16,62.79) v2(62.33,87.79) v2(62.65,53.12) v2(63.43,87.75) v2(66.01,88.38) v2(66.32,89.63) v2(66.23,87.29) v2(66.42,89.03) v2(66.55,87.93) v2(66.81,87.42) v2(67.02,88.94) v2(67.05,88.32) v2(69.14,33.8) v2(69.34,88.08) v2(70.2,88.52) v2(72.67,91.44) v2(73.36,91.46) v2(74.45,90.29) v2(75.09,76.56) v2(75.09,75.29) v2(75.73,77.83) v2(75.73,77.2) v2(75.73,76.56) v2(75.73,75.93) v2(76.36,77.83) v2(76.36,77.2) v2(76.36,76.56) v2(76.36,75.93) v2(76.36,75.29) v2(77,77.83) v2(77,77.2) v2(77,76.56) v2(77,75.93) v2(77,75.29) v2(77.63,77.83) v2(77.63,77.2) v2(77.63,76.56) v2(77.63,75.93) v2(77.63,75.29) v2(78.27,77.83) v2(78.27,76.56) v2(78.27,75.29) v4(13.88,58.49) v4(14.65,58.33) v4(23.98,44.77) v4(24.77,44.6) v4(25.88,44.61) v4(26.06,47.15) v4(28.66,26.71) v4(28.75,46.97) v4(42.84,100.01) v4(43.63,100.48) v4(43.63,99.48) v4(44.36,99.98) v4(45.13,100.45) v4(45.15,99.54) v4(51.39,89.62) v4(51.39,88.36) v4(54.22,87.57) v4(57.73,98.09) v4(57.79,97.17) v4(57.76,96.22) v4(57.76,95.33) v4(58.31,97.67) v4(58.33,95.77) v4(58.34,96.7) v4(58.9,98.08) v4(58.86,97.21) v4(58.88,96.23) v4(58.91,95.32) v5(9.98,84.3) v5(11.04,76.17) v5(11.04,75.37) v5(11.04,74.57) v5(14.79,54.62) v5(15.59,55.18) v5(16.19,54.63) v5(17.32,60.17) v5(17.65,64.24) v5(19.6,63.52) v5(25.01,25.92) v5(26.85,81.15) v5(28.07,81.17) v5(28.22,25.11) v5(30.96,89.53) v5(32.19,91.03) v5(40.36,71.4) v5(45.9,72.04) v5(47.17,72.04) v5(47.37,73.67) v5(66.1,59.61) v5(78.6,34.02) v5(85.17,39.81) v5(85.47,40.66)
PVIN_CBYP_V1P8_A: length 1.4
  TOP w0.254: C4P23.2 55.53,96.45 U1D1.10
PVIN_CBYP_V3P3_A: length 2.5
  TOP w0.254: v2(63.98,88.03) 64.93,88.03 U3A3.10
  BOTTOM w0.508: C2L15.2 64.74,87.93 64.64,88.03 v2(63.98,88.03)
PVIN_CBYP_V3P3_A_2: length 8.6
  L3_SIG1 w0.254: v2(42.62,72) 42.62,72.23 42.99,72.59 44.65,72.59 45.13,72.11 45.13,71.63 46.92,69.84 v2(46.92,69.18)
  BOTTOM w0.203: C2B12.2 46.22,69.88 v2(46.92,69.18) ; U3M1.10 42.75,71.82 42.62,71.94 v2(42.62,72)
PVIN_CBYP_VCC1: length 5.8
  TOP w0.254: v2(32.34,79.67) 31.58,78.92 U2B1.10
  BOTTOM w0.254: C3L15.2 32.73,81.77 32.29,81.33 32.29,80.03 32.34,79.98 v2(32.34,79.67)
PVIN_CBYP_VCC2: length 2.6
  BOTTOM w0.254: U3L1.10 43.25,84.63 42.83,85.06 C3L6.2
PVIN_CBYP_VDDQ1: length 1
  BOTTOM w0.254: U3M2.10 36.68,72.24 C2B11.2
PVIN_CBYP_VNN1: length 5.8
  TOP w0.254: v2(15.95,80.23) 16.16,80.44 C1A2.2
  BOTTOM w0.254: U4L1.10 15.82,82.92 14.71,81.81 14.71,80.61 15.09,80.23 v2(15.95,80.23)
PVIN_CBYP_VNN2: length 2.3
  TOP w0.305: C1B3.2 21.22,68.81 v2(21.21,68.82)
  BOTTOM w0.254: v2(21.21,68.82) 21.41,69.03 U4M3.10
PVIN_CBYP_VNN3: length 2.4
  BOTTOM w0.254: C4M3.2 14.93,76.27 15.51,76.85 U4M1.10
SV1_JTAG_TCK: length 12.4
  TOP w0.119: v1(74.59,70.04) 74.59,68.48 73.29,67.18 TP57.1 ; v2(71.4,74.32) 71.61,74.11 R2M42.1
  L3_SIG1 w0.102: v2(71.4,74.32) 73.5,72.22 73.5,71.1 74.55,70.04 v1(74.59,70.04)
  BOTTOM w0.109: v2(71.4,74.32) 71.59,74.13 U2M2.19
